# Altium PCB IO_Board.PcbDoc (part 1 of 2) (continued)
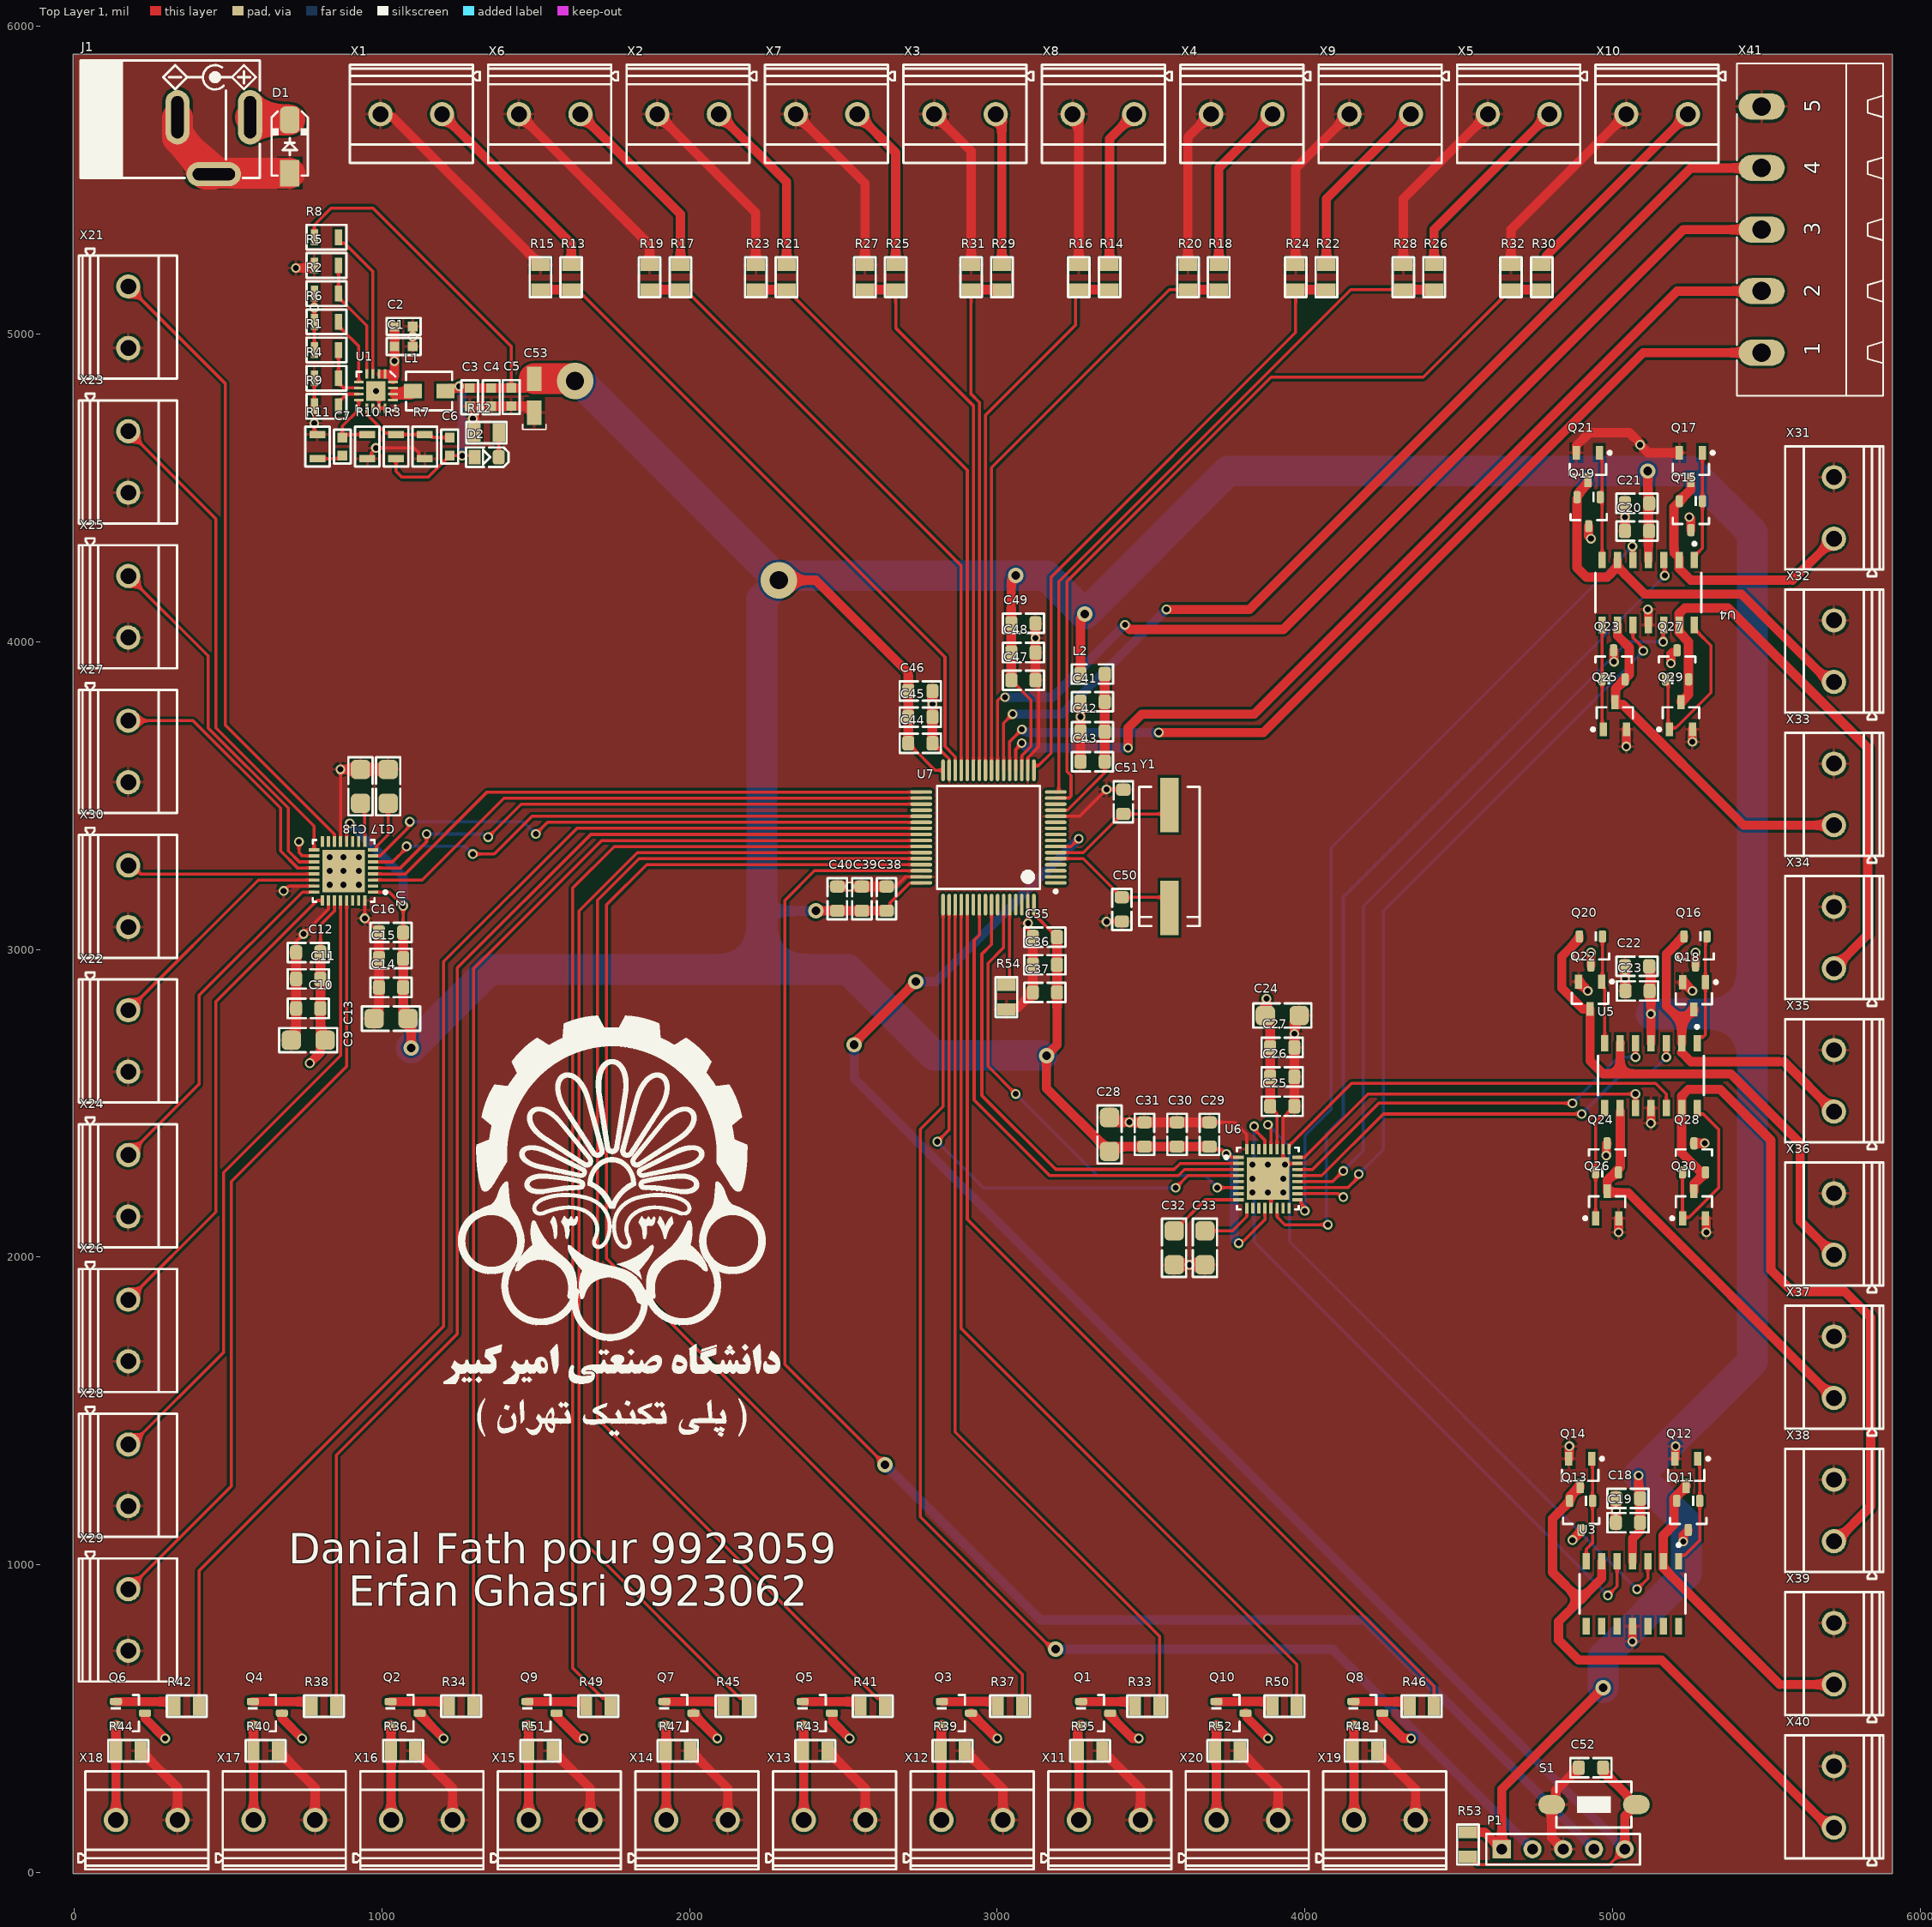
[diagram p0: Top Layer 1 view]
## Design rules (kind name [scope] priority, off if disabled: settings)
Clearance [All] p1: gap=8 ignorepadtopadclearanceinfootprint=TRUE
PlaneClearance [All] p1: clearance=20
PlaneConnect [All] p1: planeconnectstyle=Relief reliefexpansion=20 reliefentries=4 reliefconductorwidth=10 reliefairgap=10
PolygonConnect [All] p1: connectstyle=Relief reliefconductorwidth=10 reliefentries=4 polygonreliefangle="90 Angle" airgapwidth=10
RoutingVias [All] p1: holewidth=118.11 width=30 viastyle="Through Hole" minholewidth=15 minwidth=25 maxholewidth=78.74 maxwidth=50
SolderMaskExpansion [All] p1: expansion=4 istentingtop=FALSE
Width [All] p1: maxlimit=100 minlimit=10 preferedwidth=30
28 further rules are at their usual default settings.

## Classes and differential pairs
component class toFPGA: X41
component class Power: C1 C2 C3 C4 C5 C6 C7 C53 D1 D2 J1 L1 R1 R2 R3 R4 R5 R6 R7 R8 R9 R10 R11 R12 U1
component class Microcontroller: C36 C38 C40 C42 C44 C46 C48 C50 C52 L2 P1 R53 R54 S1 U7 Y1
component class Digital_Outputs: Q1 Q2 Q3 Q4 Q5 Q6 Q7 Q8 Q9 Q10 R33 R34 R35 R36 R37 R38 R39 R40 R41 R42 R43 R44 R45 R46 R47 R48 R49 R50 R51 R52 X11 X12 X13 X14 X15 X16 X17 X18 X19 X20
component class Digital_Inputs: R13 R14 R15 R16 R17 R18 R19 R20 R21 R22 R23 R24 R25 R26 R27 R28 R29 R30 R31 R32 X1 X2 X3 X4 X5 X6 X7 X8 X9 X10
component class Analog_Outputs: C18 C19 C20 C21 C22 C23 C24 C25 C26 C27 C28 C29 C30 C31 C32 C33 Q11 Q12 Q13 Q14 Q15 Q16 Q17 Q18 Q19 Q20 Q21 Q22 Q23 Q24 Q25 Q26 Q27 Q28 Q29 Q30 U3 U4 U5 U6 X31 X32 X33 X34 X35 X36 X37 X38 X39 X40
component class Analog_Inputs: C11 C13 C15 C17 C18 U2 X21 X22 X23 X24 X25 X26 X27 X28 X29 X30

## Components (designator, comment, footprint, x,y, rotation, side; value= is the part's Value field where it differs from the comment)
C1 "10u" C0603 1070,4960 r0 top value=10µF
C2 "10u" C0603 1070,5025 r0 top value=10µF
C3 "22u" C0603 1285,4795 r270 top
C4 "10u" C0603 1355,4795 r270 top value=10µF
C5 "10u" C0603 1420,4795.47 r270 top value=10µF
C6 "10u" C0603 1220,4634.49 r270 top value=10µF
C7 "10u" C0603 870.95,4634.49 r90 top value=10µF
C9 "Capacitor C SMD 1206" C1206 760,2705 r180 top value=10uf
C10 "Capacitor C SMD 0805" C0805 760,2808.08 r0 top value=4.7uf
C11 "Capacitor C SMD 0805" C0805 760,2904.04 r0 top value=100nf
C12 "Capacitor C SMD 0805" C0805 760,2990 r0 top value=10nf
C13 "Capacitor C SMD 1206" C1206 1029.37,2775 r180 top value=10uf
C14 "Capacitor C SMD 0805" C0805 1029.37,2876.42 r0 top value=4.7uf
C15 "Capacitor C SMD 0805" C0805 1029.37,2970.71 r0 top value=100nf
C16 "Capacitor C SMD 0805" C0805 1029.37,3055 r0 top value=10nf
C17 "Capacitor C SMD 1206" C1206 1020,3530 r270 top value=10uf
C18 "Capacitor C SMD 0805" C0805 5050.63,1215 r0 top value=4.7uf
C18 "Capacitor C SMD 1206" C1206 930,3530 r270 top value=10uf
C19 "Capacitor C SMD 0805" C0805 5050.31,1136.5 r0 top value=100nf
C20 "Capacitor C SMD 0805" C0805 5079.69,4360 r0 top value=4.7uf
C21 "Capacitor C SMD 0805" C0805 5080,4450 r0 top value=100nf
C22 "Capacitor C SMD 0805" C0805 5080,2945 r0 top value=4.7uf
C23 "Capacitor C SMD 0805" C0805 5081.44,2865 r0 top value=100nf
C24 "Capacitor C SMD 1206" C1206 3926.5,2785 r0 top value=10uf
C25 "Capacitor C SMD 0805" C0805 3926.5,2490 r180 top value=4.7uf
C26 "Capacitor C SMD 0805" C0805 3926.5,2585.71 r180 top value=100nf
C27 "Capacitor C SMD 0805" C0805 3926.5,2681.42 r180 top value=10nf
C28 "Capacitor C SMD 1206" C1206 3365,2398.5 r90 top value=10uf
C29 "Capacitor C SMD 0805" C0805 3690,2398.5 r270 top value=4.7uf
C30 "Capacitor C SMD 0805" C0805 3584.29,2398.5 r270 top value=100nf
C31 "Capacitor C SMD 0805" C0805 3478.58,2398.5 r270 top value=10nf
C32 "Capacitor C SMD 1206" C1206 3575,2029.88 r90 top value=10uf
C33 "Capacitor C SMD 1206" C1206 3675,2030 r90 top value=10uf
C35 "Capacitor C SMD 0805" C0805 3155,3040 r0 top value=4.7uf
C36 "Capacitor C SMD 0805" C0805 3155,2950 r0 top value=100nf
C37 "Capacitor C SMD 0805" C0805 3155,2860 r0 top value=10nf
C38 "Capacitor C SMD 0805" C0805 2640,3165 r270 top value=4.7uf
C39 "Capacitor C SMD 0805" C0805 2560,3165 r270 top value=100nf
C40 "Capacitor C SMD 0805" C0805 2480,3165 r270 top value=10nf
C41 "Capacitor C SMD 0805" C0805 3310,3805 r0 top value=4.7uf
C42 "Capacitor C SMD 0805" C0805 3310,3707.5 r0 top value=100nf
C43 "Capacitor C SMD 0805" C0805 3310,3610 r0 top value=10nf
C44 "Capacitor C SMD 0805" C0805 2750,3670 r180 top value=4.7uf
C45 "Capacitor C SMD 0805" C0805 2750,3755 r180 top value=100nf
C46 "Capacitor C SMD 0805" C0805 2750,3840 r180 top value=10nf
C47 "Capacitor C SMD 0805" C0805 3085,3875 r180 top value=4.7uf
C48 "Capacitor C SMD 0805" C0805 3085,3965 r180 top value=100nf
C49 "Capacitor C SMD 0805" C0805 3085,4060 r180 top value=10nf
C50 "Capacitor C SMD 0805" C0805 3405,3130 r90 top value=18pf
C51 "Capacitor C SMD 0805" C0805 3410,3480 r270 top value=18pf
C52 "Capacitor C SMD 0805" C0805 4930,340 r0 top value=100nf
C53 "Capacitor Tantalum SMD" "CAPP 1206 (3216X18L) Size A" 1495,4744.78 r90 top value=47uf
D1 "1N4007 SMD M7" D_SMA 700,5610 r90 top value=1N4007
D2 "LED SMD 0805" "LED SMD 0805 (Blue)" 1340,4600 r0 top
J1 "Power Jack" "POWER J1" 571.22,5705 r90 top
L1 "1u / 3.9A" IHLP_118MILX144MIL 1153.15,4815 r0 top
L2 "Inductor SMD NC 0805" L0805 3310,3895 r0 top value=1uH
P1 "Header, 5-Pin" "HDR 1X5" 4640,75 r0 top
Q1 "BC817 NPN" SOT-23 3320,517.4 r0 top value=BC817
Q2 "BC817 NPN" SOT-23 1075,517.4 r0 top value=BC817
Q3 "BC817 NPN" SOT-23 2867.24,517.4 r0 top value=BC817
Q4 "BC817 NPN" SOT-23 627.24,517.4 r0 top value=BC817
Q5 "BC817 NPN" SOT-23 2415,517.4 r0 top value=BC817
Q6 "BC817 NPN" SOT-23 182.24,517.4 r0 top value=BC817
Q7 "BC817 NPN" SOT-23 1965,517.4 r0 top value=BC817
Q8 "BC817 NPN" SOT-23 4205,517.4 r0 top value=BC817
Q9 "BC817 NPN" SOT-23 1520,517.4 r0 top value=BC817
Q10 "BC817 NPN" SOT-23 3760,517.4 r0 top value=BC817
Q11 "BC817 NPN" SOT-23 5246.44,1160 r270 top value=BC817
Q12 "BC807" SOT23_BEC_N 5240,1300 r270 top
Q13 "BC817 NPN" SOT-23 4898.27,1160 r270 top value=BC817
Q14 "BC807" SOT23_BEC_N 4895,1300 r270 top
Q15 "BC817 NPN" SOT-23 5255,4410 r270 top value=BC817
Q16 "BC817 NPN" SOT-23 5270,2995 r270 top value=BC817
Q17 "BC807" SOT23_BEC_N 5255,4570 r270 top
Q18 "BC807" SOT23_BEC_N 5265,2849.29 r270 top
Q19 "BC817 NPN" SOT-23 4922.6,4422.76 r270 top value=BC817
Q20 "BC817 NPN" SOT-23 4930,2995 r270 top value=BC817
Q21 "BC807" SOT23_BEC_N 4920,4570 r270 top
Q22 "BC807" SOT23_BEC_N 4927.4,2850.71 r270 top
Q23 "BC817 NPN" SOT-23 5003.56,3925 r90 top value=BC817
Q24 "BC817 NPN" SOT-23 4982.4,2322.24 r90 top value=BC817
Q25 "BC807" SOT23_BEC_N 5007.6,3759.29 r90 top
Q26 "BC807" SOT23_BEC_N 4982.6,2170 r90 top
Q27 "BC817 NPN" SOT-23 5210,3925 r90 top value=BC817
Q28 "BC817 NPN" SOT-23 5265,2322.24 r90 top value=BC817
Q29 "BC807" SOT23_BEC_N 5222.4,3759.29 r90 top
Q30 "BC807" SOT23_BEC_N 5265,2170 r90 top
R1 "0R" R0805_small 819.37,4948.33 r180 top
R2 "0R" R0805_small 819.37,5131.67 r180 top
R3 "0R" R0805_small 1045.54,4634.37 r270 top
R4 "0R" R0805_small 819.37,4856.67 r0 top
R5 "0R" R0805_small 819.37,5223.33 r0 top
R6 "0R" R0805_small 819.37,5040 r0 top
R7 "0R" R0805_small 1139.05,4634.37 r90 top
R8 "0R" R0805_small 819.37,5315 r180 top
R9 "0R" R0805_small 819.37,4765 r0 top
R10 "0R" R0805_small 952.02,4634.37 r90 top
R11 "0R" R0805_small 790,4634.37 r270 top
R12 "Resistor SMD 0805" SMD-0805-RES 1340,4680 r90 top value=10K
R13 "Resistor SMD 0805" SMD-0805-RES 1615,5185 r0 top value=10K
R14 "Resistor SMD 0805" SMD-0805-RES 3365,5185 r0 top value=10K
R15 "Resistor SMD 0805" SMD-0805-RES 1515,5185 r180 top value=4.7K
R16 "Resistor SMD 0805" SMD-0805-RES 3265,5185 r180 top value=4.7K
R17 "Resistor SMD 0805" SMD-0805-RES 1970,5185 r0 top value=10K
R18 "Resistor SMD 0805" SMD-0805-RES 3720,5185 r0 top value=10K
R19 "Resistor SMD 0805" SMD-0805-RES 1870,5185 r180 top value=4.7K
R20 "Resistor SMD 0805" SMD-0805-RES 3620,5185 r180 top value=4.7K
R21 "Resistor SMD 0805" SMD-0805-RES 2315,5185 r0 top value=10K
R22 "Resistor SMD 0805" SMD-0805-RES 4070,5185 r0 top value=10K
R23 "Resistor SMD 0805" SMD-0805-RES 2215,5185 r180 top value=4.7K
R24 "Resistor SMD 0805" SMD-0805-RES 3970,5185 r180 top value=4.7K
R25 "Resistor SMD 0805" SMD-0805-RES 2670,5185 r0 top value=10K
R26 "Resistor SMD 0805" SMD-0805-RES 4420,5185 r0 top value=10K
R27 "Resistor SMD 0805" SMD-0805-RES 2570,5185 r180 top value=4.7K
R28 "Resistor SMD 0805" SMD-0805-RES 4320,5185 r180 top value=4.7K
R29 "Resistor SMD 0805" SMD-0805-RES 3015,5185 r0 top value=10K
R30 "Resistor SMD 0805" SMD-0805-RES 4770,5185 r0 top value=10K
R31 "Resistor SMD 0805" SMD-0805-RES 2915,5185 r180 top value=4.7K
R32 "Resistor SMD 0805" SMD-0805-RES 4670,5185 r180 top value=4.7K
R33 "Resistor SMD 0805" SMD-0805-RES 3487.78,540 r270 top value=1K
R34 "Resistor SMD 0805" SMD-0805-RES 1257.22,540 r270 top value=1K
R35 "Resistor SMD 0805" SMD-0805-RES 3301.67,395 r90 top value=10K
R36 "Resistor SMD 0805" SMD-0805-RES 1068.33,395 r90 top value=10K
R37 "Resistor SMD 0805" SMD-0805-RES 3041.67,540 r270 top value=1K
R38 "Resistor SMD 0805" SMD-0805-RES 811.11,540 r270 top value=1K
R39 "Resistor SMD 0805" SMD-0805-RES 2855,395 r90 top value=10K
R40 "Resistor SMD 0805" SMD-0805-RES 621.67,395 r90 top value=10K
R41 "Resistor SMD 0805" SMD-0805-RES 2595.56,540 r270 top value=1K
R42 "Resistor SMD 0805" SMD-0805-RES 365,540 r270 top value=1K
R43 "Resistor SMD 0805" SMD-0805-RES 2408.33,395 r90 top value=10K
R44 "Resistor SMD 0805" SMD-0805-RES 175,395 r90 top value=10K
R45 "Resistor SMD 0805" SMD-0805-RES 2149.44,540 r270 top value=1K
R46 "Resistor SMD 0805" SMD-0805-RES 4380,540 r270 top value=1K
R47 "Resistor SMD 0805" SMD-0805-RES 1961.67,395 r90 top value=10K
R48 "Resistor SMD 0805" SMD-0805-RES 4195,395 r90 top value=10K
R49 "Resistor SMD 0805" SMD-0805-RES 1703.33,540 r270 top value=1K
R50 "Resistor SMD 0805" SMD-0805-RES 3933.89,540 r270 top value=1K
R51 "Resistor SMD 0805" SMD-0805-RES 1515,395 r90 top value=10K
R52 "Resistor SMD 0805" SMD-0805-RES 3748.33,395 r90 top value=10K
R53 "Resistor SMD 0805" SMD-0805-RES 4530,90 r180 top value=10K
R54 "Resistor SMD 0805" SMD-0805-RES 3030,2845 r0 top value=10K
S1 "Push SMD" SWPBS_SPST_6X3X2 4940,220 r0 top
U1 "ISL8024AIRTAJZ-T7A" 16-TQFN_3mmx3mm_V1.1 980,4815 r270 top
U2 "MAX11311GTJ+" FP-T3255-9-MFG 875,3255 r180 top
U3 "LM324DT" FP-SO-14-MFG 5065,905.32 r270 top
U4 "LM324DT" FP-SO-14-MFG 5116.44,4160 r270 top
U5 "LM324DT" FP-SO-14-MFG 5125.12,2590 r270 top
U6 "MAX11311GTJ+" FP-T3255-9-MFG 3880,2255 r0 top
U7 "STM32F103RCT6" STM-LQFP64_N 2971.5,3363.9 r180 top
X1 "Phoenix MKDSN 02" CON_MKDSN1,5/2-5,08 1095,5715 r180 top
X2 "Phoenix MKDSN 02" CON_MKDSN1,5/2-5,08 1995,5715 r180 top
X3 "Phoenix MKDSN 02" CON_MKDSN1,5/2-5,08 2895,5715 r180 top
X4 "Phoenix MKDSN 02" CON_MKDSN1,5/2-5,08 3795,5715 r180 top
X5 "Phoenix MKDSN 02" CON_MKDSN1,5/2-5,08 4695,5715 r180 top
X6 "Phoenix MKDSN 02" CON_MKDSN1,5/2-5,08 1545,5715 r180 top
X7 "Phoenix MKDSN 02" CON_MKDSN1,5/2-5,08 2445,5715 r180 top
X8 "Phoenix MKDSN 02" CON_MKDSN1,5/2-5,08 3345,5715 r180 top
X9 "Phoenix MKDSN 02" CON_MKDSN1,5/2-5,08 4245,5715 r180 top
X10 "Phoenix MKDSN 02" CON_MKDSN1,5/2-5,08 5145,5715 r180 top
X11 "Phoenix MKDSN 02" CON_MKDSN1,5/2-5,08 3365.55,170 r0 top
X12 "Phoenix MKDSN 02" CON_MKDSN1,5/2-5,08 2918.33,170 r0 top
X13 "Phoenix MKDSN 02" CON_MKDSN1,5/2-5,08 2471.11,170 r0 top
X14 "Phoenix MKDSN 02" CON_MKDSN1,5/2-5,08 2023.89,170 r0 top
X15 "Phoenix MKDSN 02" CON_MKDSN1,5/2-5,08 1576.67,170 r0 top
X16 "Phoenix MKDSN 02" CON_MKDSN1,5/2-5,08 1129.44,170 r0 top
X17 "Phoenix MKDSN 02" CON_MKDSN1,5/2-5,08 682.22,170 r0 top
X18 "Phoenix MKDSN 02" CON_MKDSN1,5/2-5,08 235,170 r0 top
X19 "Phoenix MKDSN 02" CON_MKDSN1,5/2-5,08 4260,170 r0 top
X20 "Phoenix MKDSN 02" CON_MKDSN1,5/2-5,08 3812.78,170 r0 top
X21 "Phoenix MKDSN 02" CON_MKDSN1,5/2-5,08 175,5055 r270 top
X22 "Phoenix MKDSN 02" CON_MKDSN1,5/2-5,08 175,2702.22 r270 top
X23 "Phoenix MKDSN 02" CON_MKDSN1,5/2-5,08 175,4584.44 r270 top
X24 "Phoenix MKDSN 02" CON_MKDSN1,5/2-5,08 175,2231.67 r270 top
X25 "Phoenix MKDSN 02" CON_MKDSN1,5/2-5,08 175,4113.89 r270 top
X26 "Phoenix MKDSN 02" CON_MKDSN1,5/2-5,08 175,1761.11 r270 top
X27 "Phoenix MKDSN 02" CON_MKDSN1,5/2-5,08 175,3643.33 r270 top
X28 "Phoenix MKDSN 02" CON_MKDSN1,5/2-5,08 175,1290.56 r270 top
X29 "Phoenix MKDSN 02" CON_MKDSN1,5/2-5,08 175,820 r270 top
X30 "Phoenix MKDSN 02" CON_MKDSN1,5/2-5,08 175,3172.78 r270 top
X31 "Phoenix MKDSN 02" CON_MKDSN1,5/2-5,08 5720,4435 r90 top
X32 "Phoenix MKDSN 02" CON_MKDSN1,5/2-5,08 5720,3969.44 r90 top
X33 "Phoenix MKDSN 02" CON_MKDSN1,5/2-5,08 5720,3503.89 r90 top
X34 "Phoenix MKDSN 02" CON_MKDSN1,5/2-5,08 5720,3038.33 r90 top
X35 "Phoenix MKDSN 02" CON_MKDSN1,5/2-5,08 5720,2572.78 r90 top
X36 "Phoenix MKDSN 02" CON_MKDSN1,5/2-5,08 5720,2107.22 r90 top
X37 "Phoenix MKDSN 02" CON_MKDSN1,5/2-5,08 5720,1641.67 r90 top
X38 "Phoenix MKDSN 02" CON_MKDSN1,5/2-5,08 5720,1176.11 r90 top
X39 "Phoenix MKDSN 02" CON_MKDSN1,5/2-5,08 5720,710.56 r90 top
X40 "Phoenix MKDSN 02" CON_MKDSN1,5/2-5,08 5720,245 r90 top
X41 "Phoenix MSTBA 05" CON_MSTBA05 5485,5340 r90 top
Y1 "8.000MHz SMD" "Crystal SMD" 3560,3280 r90 top value="12 MHz"

## Footprints (in the part's own frame and the unit in brackets; to place one, negate y for a bottom-side part, rotate by r counter-clockwise, add the part's x,y. Pads: shape width x height; smd on the part's side, far side on the other; paste and mask are expansions set on the pad)
16-TQFN_3mmx3mm_V1.1 [mm]
  rect 0.78x0.23 smd mask+0.03: 1(-1.41,0.75) 2(-1.41,0.25) 3(-1.41,-0.25) 4(-1.41,-0.75) 9(1.41,-0.75) 10(1.41,-0.25) 11(1.41,0.25) 12(1.41,0.75)
  rect 0.23x0.78 smd mask+0.03: 5(-0.75,-1.41) 6(-0.25,-1.41) 7(0.25,-1.41) 8(0.75,-1.41) 13(0.75,1.41) 14(0.25,1.41) 15(-0.25,1.41) 16(-0.75,1.41)
  rect 1.6x1.6 smd mask+0.03: 17(0,0)
  silkscreen extent -1.6,-1.6 1.6,1.6, body extent -1.5,-1.5 1.5,1.5, height 0.9
C0603 [mm]
  rect 0.8x0.8 smd: 1(-0.75,0) 2(0.75,0)
  silkscreen extent -1.4,-0.7 1.4,0.7, body extent -0.8,-0.42 0.8,0.44, height 0.95
C0805 [mm] "CHIP Capacitor, 2.0X1.3mm, 0805 www.smartw.ir"
  rrect50% 1x1.2 smd mask+0.075: 1(-1,0) 2(1,0)
  Top Layer 1 pour cut-out: -0.5,0.8 0.5,0.8 0.5,-0.8 -0.5,-0.8
  silkscreen extent -1.7,-0.8 1.7,0.8, body extent -1,-0.63 1,0.63, height 1
C1206 [mm] "CHIP Capacitor, 3.2X1.6mm, 1206 www.smartw.ir"
  rrect50% 1.6x1.6 smd mask+0.075: 1(-1.4,0) 2(1.4,0)
  Top Layer 1 pour cut-out: -0.8,1 -0.8,-1 0.8,-1 0.8,1
  silkscreen extent -2.4,-1 2.4,1, body extent -1.6,-0.8 1.6,0.8, height 1
"CAPP 1206 (3216X18L) Size A" [mil] "Chip Capacitor, 2-Leads, Body 3.2x1.6mm, IPC High Density, chip Tantalum (www.smartw.ir)"
  rect 78.7x47.2 smd: 1(0,0) 2(110.22,0)
  silkscreen extent -54,-38 -39,38, body extent -17,-36 126,35, height 71
CON_MKDSN1,5/2-5,08 [mm] "(www.Smartw.ir)"
  round 2 hole 1.3: 1(-2.54,0) 2(2.54,0)
  silkscreen extent -5.65,-4.07 5.08,4.03, body extent -5.64,-4.05 5.09,4.05, height 10.03
CON_MSTBA05 [mil] "(www.Smartw.ir)"
  oval 85x150 hole 60: 1(-400,0) 2(-200,0) 3(0,0) 4(200,0) 5(400,0)
  silkscreen extent -540,-395 540,80, body extent -540,-392 539,80, height 340
"Crystal SMD" [mm] "(www.Smartw.ir)"
  rect 4.5x1.5 smd: 1(-3.683,0) 2(4.817,0)
  silkscreen extent -5.18,-2.5 6.32,2.5, body extent -5.64,-2.25 6.66,2.25, height 5.18
D_SMA [mm] "SMA Molded Diode, 2-Leads, Body 4.3x2.7mm, SOD-128 (www.Smartw.ir)"
  rect 2.2x1.6 smd: 1(-2.2,0)
  rrect50% 2.2x1.6 smd: 2(2.2,0)
  silkscreen extent -2.4,-1.5 2.9,1.5, body extent -2.75,-1.4 2.75,1.4, height 2.6
FP-SO-14-MFG [mm]
  rect 1.35x0.6 smd paste+0 mask+0: 1(-2.675,3.81) 2(-2.675,2.54) 3(-2.675,1.27) 4(-2.675,0) 5(-2.675,-1.27) 6(-2.675,-2.54) 7(-2.675,-3.81) 8(2.675,-3.81) 9(2.675,-2.54) 10(2.675,-1.27) 11(2.675,0) 12(2.675,1.27) 13(2.675,2.54) 14(2.675,3.81)
  silkscreen extent -4.15,-4.38 1.63,4.38, body extent -3.45,-4.47 3.45,4.47, height 0.25
FP-T3255-9-MFG [mm]
  rect 0.86x0.27 smd paste+0 mask+0: 1(-2.435,1.75) 2(-2.435,1.25) 3(-2.435,0.75) 4(-2.435,0.25) 5(-2.435,-0.25) 6(-2.435,-0.75) 7(-2.435,-1.25) 8(-2.435,-1.75) 17(2.435,-1.75) 18(2.435,-1.25) 19(2.435,-0.75) 20(2.435,-0.25) 21(2.435,0.25) 22(2.435,0.75) 23(2.435,1.25) 24(2.435,1.75)
  rect 0.27x0.86 smd paste+0 mask+0: 9(-1.75,-2.435) 10(-1.25,-2.435) 11(-0.75,-2.435) 12(-0.25,-2.435) 13(0.25,-2.435) 14(0.75,-2.435) 15(1.25,-2.435) 16(1.75,-2.435) 25(1.75,2.435) 26(1.25,2.435) 27(0.75,2.435) 28(0.25,2.435) 29(-0.25,2.435) 30(-0.75,2.435) 31(-1.25,2.435) 32(-1.75,2.435)
  rect 3.5x3.5 smd paste+0 mask+0: 33(0,0)
  silkscreen extent -3.58,-2.55 2.55,2.55, body extent -2.5,-2.5 2.5,2.5, height 0.8
"HDR 1X5" [mm] "Connector; Header; 5 Position"
  rect 1.5x1.5 hole 0.9: 1(0,0)
  round 1.5 hole 0.9: 2(2.54,0) 3(5.08,0) 4(7.62,0) 5(10.16,0)
  silkscreen extent -1.27,-1.27 11.43,1.27, body extent -1.26,-1.27 11.43,1.26, height 8.51
IHLP_118MILX144MIL [mm]
  rect 1.5x1.2 smd: 1(-1.35,0) 2(1.35,0)
  silkscreen extent -1.9,-1.6 1.9,1.6, body extent -1.9,-1.5 1.9,1.5, height 1.5
L0805 [mm] "INDUCTOR, FERRITE BEAD, 0805, 2.0X1.3mm (www.Smartw.ir)"
  rrect50% 1x1.2 smd mask+0.075: 1(-1,0) 2(1,0)
  Top Layer 1 pour cut-out: -0.5,0.8 0.5,0.8 0.5,-0.8 -0.5,-0.8
  silkscreen extent -1.7,-0.8 1.7,0.8, body extent -1,-0.6 1,0.6, height 0.95
"LED SMD 0805 (Blue)" [mm] "(www.Smartw.ir)"
  rect 1x1.2 smd mask+0.075: 1(-1,0)
  rrect50% 1x1.2 smd mask+0.075: 2(1,0)
  Top Layer 1 pour cut-out: -0.5,0.8 0.5,0.8 0.5,-0.8 -0.5,-0.8
  silkscreen extent -1.7,-0.8 1.8,0.8, body extent -1,-0.63 1,0.63, height 0.7
"POWER J1" [mm] "DC POWER JACK, Power Jack KLDX-0202"
  oval 4.5x2 hole 1 slot 3.5 at 0 deg: 1(0,0) 2(0,6)
  oval 2x4.5 hole 1 slot 3.5 at 90 deg: 3(-4.7,3)
  silkscreen extent -5,-0.8 4.7,14, body extent -4.9,-0.65 4.5,13.85, height 10.8
R0805_small [mm]
  rect 0.6x1.3 smd paste-0.3 mask-0.3: 1(-1,0) 2(1,0)
  silkscreen extent -1.65,-1.02 1.65,1.02, body extent -1,-0.6 1,0.6, height 0.7
SMD-0805-RES [mil]
  rect 60x40 smd: 1(0,40) 2(0,-40)
  silkscreen extent -35,-65 35,65, body extent -24,-39 26,39, height 31
SOT23_BEC_N [mm] "SOT23, 3-Leads, Body 2.9x1.3mm, Pitch 0.95mm, Lead Span 2.4mm, IPC Medium Density (www.Smartw.ir)"
  rect 1.15x0.6 smd: 1(-1.125,0.95) 2(-1.125,-0.95) 3(1.125,0)
  silkscreen extent -1.25,-1.5 0.7,1.93, body extent -1.22,-1.45 1.08,1.45, height 1
SOT-23 [mm] "SOT23, 3-Leads, Body 2.9x1.3mm, Pitch 0.95mm, Lead Span 2.5mm, IPC Medium Density (www.Smartw.ir)"
  rrect50% 1x0.6 smd: 1(-1.2,0.95) 2(-1.2,-0.95) 3(1.2,0)
  silkscreen extent -1.62,-1.5 0.7,1.5, body extent -1.16,-1.45 1.21,1.45, height 1
STM-LQFP64_N [mm] "Thin QFP, 64-Leads, Body 10x10mm, Pitch 0.5mm, IPC Medium Density (www.Smartw.ir)"
  oval 1.8x0.3 smd: 1(-5.55,3.75) 2(-5.55,3.25) 3(-5.55,2.75) 4(-5.55,2.25) 5(-5.55,1.75) 6(-5.55,1.25) 7(-5.55,0.75) 8(-5.55,0.25) 9(-5.55,-0.25) 10(-5.55,-0.75) 11(-5.55,-1.25) 12(-5.55,-1.75) 13(-5.55,-2.25) 14(-5.55,-2.75) 15(-5.55,-3.25) 16(-5.55,-3.75) 33(5.55,-3.75) 34(5.55,-3.25) 35(5.55,-2.75) 36(5.55,-2.25) 37(5.55,-1.75) 38(5.55,-1.25) 39(5.55,-0.75) 40(5.55,-0.25) 41(5.55,0.25) 42(5.55,0.75) 43(5.55,1.25) 44(5.55,1.75) 45(5.55,2.25) 46(5.55,2.75) 47(5.55,3.25) 48(5.55,3.75)
  oval 0.3x1.8 smd: 17(-3.75,-5.55) 18(-3.25,-5.55) 19(-2.75,-5.55) 20(-2.25,-5.55) 21(-1.75,-5.55) 22(-1.25,-5.55) 23(-0.75,-5.55) 24(-0.25,-5.55) 25(0.25,-5.55) 26(0.75,-5.55) 27(1.25,-5.55) 28(1.75,-5.55) 29(2.25,-5.55) 30(2.75,-5.55) 31(3.25,-5.55) 32(3.75,-5.55) 49(3.75,5.55) 50(3.25,5.55) 51(2.75,5.55) 52(2.25,5.55) 53(1.75,5.55) 54(1.25,5.55) 55(0.75,5.55) 56(0.25,5.55) 57(-0.25,5.55) 58(-0.75,5.55) 59(-1.25,5.55) 60(-1.75,5.55) 61(-2.25,5.55) 62(-2.75,5.55) 63(-3.25,5.55) 64(-3.75,5.55)
  silkscreen extent -5.68,-4.25 4.25,4.57, body extent -6,-6 6,6, height 1.6
SWPBS_SPST_6X3X2 [mm] "SWITCH, PUSHBUTTON, SMD, SPST, 6X3.5X2.5mm, RS-282G05A3, SKQYPA, 50000 Cycles"
  oval 2.2x1.6 smd mask+0.1: 1(-3.5,0) 2(3.5,0)
  silkscreen extent -3.1,-1.9 3.1,1.9, body extent -3.4,-1.86 3.4,1.86, height 2.5

## Part data
C1 C2 C4 C5 C6 C7: library part C1608X5R0J106M, "CAP CER 10UF 6.3V X5R 20% 0603", Capacitance=10µF, Manufacturer="TDK Corporation", Operating Temperature="-55°C ~ 85°C", Package / Case="0603 (1608 Metric)", Ratings=-, Supplier Part Number=445-4112-1-ND, Temperature Coefficient=X5R, Tolerance=±20%, Voltage - Rated=6.3V, .Checked PCB=used, .Checked SCH=used, Applications="General Purpose", Category=Capacitors, ComponentLink1Description=http://www.tdk.com/pdf/general_B11.pdf, ComponentLink1URL=http://www.tdk.com/pdf/general_B11.pdf, Features="Low ESR", Height - Seated (Max)=-, Lead Spacing=-, Lead Style=-, Manufacturer Part Number=C1608X5R0J106M, Mounting Type="Surface Mount, MLCC", Packaging="Cut Tape (CT)", Price 1k [$]=0.08580, Pricing 1="1=0.46, 10=0.363, 100=0.1898, 250=0.14024, 500=0.1089, 1000=0.0858 (USD)", RoHS="RoHS Compliant", Size / Dimension="0.063\" L x 0.031\" W (1.60mm x 0.80mm)", Stock 1=48157, Supplier=Digikey, Supplier 1=Digi-Key, Supplier Part Number 1=445-4112-1-ND, Thickness (Max)="0.037\" (0.95mm)"
C3: library part C1608X5R0J226M080AC, "CAP CER 22UF 6.3V 20% X5R 0603", Capacitance=22µF, Manufacturer="TDK Corporation", Operating Temperature="-55°C ~ 85°C", Package / Case="0603 (1608 Metric)", Ratings=-, Supplier Part Number 1=445-8028-1-ND, Temperature Coefficient=X5R, Tolerance=±20%, Voltage - Rated=6.3V, .Checked PCB=MM, .Checked SCH=MM, .Creator=MM, Applications="General Purpose", Category=Capacitors, ComponentLink1Description=http://product.tdk.com/en/catalog/datasheets/mlcc_commercial_general_en.pdf, ComponentLink1URL=http://product.tdk.com/en/catalog/datasheets/mlcc_commercial_general_en.pdf, Features=-, Height - Seated (Max)=-, Lead Spacing=-, Lead Style=-, Manufacturer Part Number=C1608X5R0J226M080AC, Mounting Type="Surface Mount, MLCC", Packaging="Cut Tape (CT)", Pricing 1="1=0.39, 10=0.343, 100=0.1714, 250=0.13708, 500=0.12484, 1000=0.1104 (USD)", RoHS="RoHS Compliant", Size / Dimension="0.063\" L x 0.031\" W (1.60mm x 0.80mm)", Stock 1=593047, Supplier 1=Digi-Key, Thickness (Max)="0.039\" (1.00mm)"
D1: "DIODE, GENERAL PURPOSE, 1000V/1A", ComponentLink1Description="Website Smart World", ComponentLink1URL=https://www.smartw.ir/, ComponentLink2Description=Telegram, ComponentLink2URL=https://t.me/altium_smartw, ComponentLink3Description=Instagram, ComponentLink3URL=https://Instagram.com/smartgw.ir, DatasheetVersion=2021
L1: library part IHLP1212AEER1R0M11, "FIXED IND 1UH 3.9A 33 MOHM SMD", Current - Saturation=5.3A, Current Rating=3.9A, DC Resistance (DCR)="33 mOhm Max", Frequency - Self Resonant=-, Frequency - Test=100kHz, Inductance=1µH, Manufacturer="Vishay Dale", Operating Temperature="-55°C ~ 125°C", Package / Case=Nonstandard, Supplier Part Number 1=541-1327-1-ND, Tolerance=±20%, .Checked PCB=MM, .Checked SCH=MM, .Creator=MM, Category="Inductors, Coils, Chokes", ComponentLink1Description=http://www.vishay.com/docs/34300/lp12ae11.pdf, ComponentLink1URL=http://www.vishay.com/docs/34300/lp12ae11.pdf, Height - Seated (Max)="0.047\" (1.20mm)", Manufacturer Part Number=IHLP1212AEER1R0M11, Material - Core=-, Mounting Type="Surface Mount", Packaging="Cut Tape (CT)", Pricing 1="1=1.44, 10=1.35, 100=1.026, 500=0.828, 1000=0.756 (USD)", Q @ Freq=-, RoHS="RoHS Compliant", Shielding=Shielded, Size / Dimension="0.144\" L x 0.118\" W (3.65mm x 3.00mm)", Stock 1=3480, Supplier 1=Digi-Key, Supplier Device Package=-, Type=Molded
P1: library part "Header 5", "PROGRAMER", ComponentLinkp-URL=https://www.smartw.ir/, DatasheetVersion=2020
Q1 Q2 Q3 Q4 Q5 Q6 Q7 Q8 Q9 Q10 Q11 Q13 Q15 Q16 Q19 Q20 Q23 Q24 Q27 Q28: "BJT, NPN, 45v, 0.5A, SMD, SOT23", ComponentLink1Description="Website Smart World", ComponentLink1URL=https://www.smartw.ir/, ComponentLink2Description=Telegram, ComponentLink2URL=https://t.me/altium_smartw, ComponentLink3Description=Instagram, ComponentLink3URL=https://Instagram.com/smartgw.ir, DatasheetVersion=2021
Q12 Q14 Q17 Q18 Q21 Q22 Q25 Q26 Q29 Q30: library part PNP_BCE, "PNP Bipolar Transistor", ComponentLink1Description="Website Smart World", ComponentLink1URL=https://www.smartw.ir/, ComponentLink2Description=Telegram, ComponentLink2URL=https://t.me/altium_smartw, ComponentLink3Description=Instagram, ComponentLink3URL=https://Instagram.com/smartgw.ir, DatasheetVersion=2021
R1 R2 R3 R4 R5 R6 R7 R8 R9 R10 R11: library part RC0805JR-070RL_small, "RES 0.0 OHM 1/8W 0805 SMD", Manufacturer=Yageo, Manufacturer Part Number=RC0805JR-070RL, Package / Case="0805 (2012 Metric)", Power (Watts)="0.125W, 1/8W", Resistance (Ohms)=0.0, Supplier Part Number=311-0.0ARCT-ND, Temperature Coefficient=-, Tolerance=Jumper, .Checked PCB=MM, .Checked SCH=MM, .Creator=MM, Category=Resistors, ComponentLink1Description=http://www.yageo.com/documents/recent/PYu-RC0805_51_RoHS_L_4.pdf, ComponentLink1URL=http://www.yageo.com/documents/recent/PYu-RC0805_51_RoHS_L_4.pdf, Composition="Thick Film", Features=-, Height="0.024\" (0.60mm)", Number of Terminations=2, Packaging="Cut Tape (CT)", Price 1k [$]=0.01479, Pricing 1="10=0.017, 50=0.0126, 100=0.0096, 250=0.00716, 500=0.00528, 1000=0.00352 (USD)", RoHS="RoHS Compliant", Size / Dimension="0.079\" L x 0.049\" W (2.00mm x 1.25mm)", Stock 1=933202, Supplier=Digikey, Supplier 1=Digi-Key, Supplier Part Number 1=311-0.0ARCT-ND
U1: "IC REG BUCK SYNC ADJ 4A 16TQFN", Current - Output=4A, Frequency - Switching="490kHz ~ 4.2MHz", Manufacturer=Intersil, Operating Temperature="-40°C ~ 85°C", Package / Case="16-WFQFN Exposed Pad", Supplier Device Package="16-TQFN (3x3)", Supplier Part Number 1=ISL8024AIRTAJZ-T7ACT-ND, Voltage - Input="2.7 V ~ 5.5 V", Voltage - Output="0.6 V ~ 5.5 V", .Checked PCB=MM, .Checked SCH=MM, .Creator=MM, Category="Integrated Circuits (ICs)", ComponentLink1Description=http://www.intersil.com/content/dam/Intersil/documents/fn78/fn7812.pdf, ComponentLink1URL=http://www.intersil.com/content/dam/Intersil/documents/fn78/fn7812.pdf, Manufacturer Part Number=ISL8024AIRTAJZ-T7A, Mounting Type="Surface Mount", Number of Outputs=1, Output Type=Adjustable, Packaging="Cut Tape (CT)", Pricing 1="1=4.61, 25=3.63, 100=3.08 (USD)", RoHS="RoHS Compliant", Stock 1=440, Supplier 1=Digi-Key, Synchronous Rectifier=Yes, Type="Step-Down (Buck)"
U2 U6: library part CMP-05663-000001-1, "IC ADC 12BIT 400K 32TQFN", Max Operating Temperature=105°C, Max Supply Voltage=4.75V, Min Operating Temperature=-40°C, Min Supply Voltage=5.25V, Interface=SPI, Mount="Surface Mount", Number of Bits=12, Number Of Channels=4, Number of Pins=32, Packaging=Rail/Tube, Resolution=12b, RoHS Compliant=Yes, Sampling Rate=400000S/s, Series=PIXI™, Supply Type=Analog
U3 U4 U5: library part CMP-12131-000005-1, "IC OPAMP GP 4 CIRCUIT 14SO", Input Bias Current=0.02uA, Input Offset Voltage=2mV, Manufacturer=STMicroelectronics, Max Dual Supply Voltage=15V, Max Junction Temp=+150°C, Max Supply Voltage=30V, Min Dual Supply Voltage=1.5V, Min Supply Voltage=3V, Nominal Supply Current=0.7-1.5mA, Output Current Per Channel=20-50mA, Package=SO-14, Temperature="0°C to +70°C", Temperature Range High=+70°C, Temperature Range Low=0°C, Voltage Gain=100dB, Automotive=No, Bandwidth=1.3MHz, Category=IC, ComponentLink2Description=Datasheet, ComponentLink2URL=https://www.st.com/content/ccc/resource/technical/document/datasheet/bd/fc/46/43/26/8f/40/7f/CD00001046.pdf/files/CD00001046.pdf/jcr:content/translations/en.CD00001046.pdf, Device Class L1="Integrated Circuits (ICs)", Device Class L2="Linear ICs", Device Class L3="Amplifiers - Op Amps", Digikey Description="IC OPAMP GP 4 CIRCUIT 14SO", Footprint Url=https://www.st.com/content/ccc/resource/technical/document/datasheet/group3/10/8a/e6/12/f8/e8/49/ce/DM00366438/files/DM00366438.pdf/jcr:content/translations/en.DM00366438.pdf, Gain Bandwidth=1.3MHz, Height=1.75mm, Lead Free=Yes, Manufacturer Part Number=LM324DT, Mouser Description="LM324 Series 32 V 1.3 MHz Low Power Quad Operational Amplifier - SOIC-14", Number Of Channels=4, Octopart=https://octopart.com/lm324dt-stmicroelectronics-39579146, RoHS=TRUE, Standoff Height=0.1mm
U7: "ARM Cortex-M3 32-bit MCU, 256 KB Flash, 48 KB Internal RAM, 51 I/Os, 64-pin LQFP, -40 to 85 degC, Tray", ComponentLink1Description="Website Smart World", ComponentLink1URL=https://www.smartw.ir/
Y1: library part XTAL_Crystal, "XTAL Crystal", ComponentLink1Description=Datasheet, ComponentLink2Description=Reference, Design Date=2017-1-3, Designer="ABBAS BASEREH", Mounting Technology="Surface Mount\Through-Hole", Status=Unreleased
C9 C10 C11 C12 C13 C14 C15 C16 C17 C18 C18 C19 C20 C21 C22 C23 C24 C25 C26 C27 C28 C29 C30 C31 C32 C33 C35 C36 C37 C38 C39 C40 C41 C42 C43 C44 C45 C46 C47 C48 C49 C50 C51 C52 C53 D2 L2 R12 R13 R14 R15 R16 R17 R18 R19 R20 R21 R22 R23 R24 R25 R26 R27 R28 R29 R30 R31 R32 R33 R34 R35 R36 R37 R38 R39 R40 R41 R42 R43 R44 R45 R46 R47 R48 R49 R50 R51 R52 R53 R54 S1 X1 X2 X3 X4 X5 X6 X7 X8 X9 X10 X11 X12 X13 X14 X15 X16 X17 X18 X19 X20 X21 X22 X23 X24 X25 X26 X27 X28 X29 X30 X31 X32 X33 X34 X35 X36 X37 X38 X39 X40 X41: ComponentLink1Description="Website Smart World", ComponentLink1URL=https://www.smartw.ir/, ComponentLink2Description=Telegram, ComponentLink2URL=https://t.me/altium_smartw, ComponentLink3Description=Instagram, ComponentLink3URL=https://Instagram.com/smartgw.ir, DatasheetVersion=2021
J1: ComponentLink1Description="Website Smart World", ComponentLink1URL=https://www.smartw.ir/, ComponentLink2Description=Telegram, ComponentLink2URL=https://t.me/altium_smartw, ComponentLink3Description=Instagram, ComponentLink3URL=https://Instagram.com/smartgw.irm/smartgw.ir, DatasheetVersion=2021

## Via types
v1: diameter 31.5, hole 19.68, Top Layer 1 to GND, 52 vias
v2: diameter 31.5, hole 19.68, Top Layer 1 to Bottom Layer 1, 44 vias
v3: diameter 31.5, hole 19.68, Top Layer 1 to 10V, 26 vias
v4: diameter 50, hole 28, Top Layer 1 to Bottom Layer 1, 11 vias
v5: diameter 118.11, hole 59.06, Top Layer 1 to Bottom Layer 1, 2 vias

## Nets (pads, with @x,y where several pads share a name; then routed paths per layer and width w, separated by ;. In a path a pad name is that pad's centre, name@x,y a point inside that pad or via, vN(x,y) a via of type N, cw(c..) or ccw(c..) an arc to the next point about the centre after c; other vN are vias at no path point)
3.3V: C3.1 C4.1 C5.1 C6.2 C13.1 C14.2 C15.2 C16.2 C18.2@5090,1215 C19.2 C20.2 C21.2 C22.2 C23.2 C28.1 C29.2 C30.2 C31.2 C35.2 C36.2 C37.2 C38.2 C39.2 C40.2 C44.2 C45.2 C46.2 C47.2 C48.2 C49.2 C53.2 D2.1 L1.2 L2.1 P1.1 R3.2 R8.2 R53.2 U2.1 U2.12 U3.4 U4.4 U5.4 U6.1 U6.12 U7.19 U7.32 U7.48 U7.64 | length 21204
  Top Layer 1 w10: R8.2@780,5315 780,5355 835,5410 970,5410 1420,4960 C5.1@1420,4825 ; U2.12@884.84,3350.87 884.84,3394.03 895,3404.18 v2(895,3410) ; U2.1@970.87,3186.1 1023.9,3186.1 v2(1068.74,3141.26) C16.2@1068.74,3055 ; R3.2@1045.54,4595 1045.54,4554.46 1065,4535 1150.04,4535 C6.2@1220,4604.96 1295.67,4604.96 D2.1@1300.63,4600 ; C38.2@2640,3125.63 2652.19,3137.82 2652.19,3152.19 2715.91,3215.91 2752.65,3215.91 U7.48@2752.99,3216.26 ; C44.2@2710.63,3670 2710.63,3668.68 2724.95,3654.37 2726.26,3654.37 2798.23,3582.4 U7.32@2823.86,3582.4 ; C47.2@3045.63,3875 3045.63,3873.68 3062.94,3856.38 3064.25,3856.38 3110,3810.63 3110,3660 3079.76,3629.76 U7.19@3079.76,3582.4 ; U7.64@3119.13,3145.39 3119.13,3115.38 3120.04,3114.47 3120.04,3114.33 3178.74,3055.63 3180.05,3055.63 C35.2@3194.37,3041.32 ; C29.2@3690,2359.13 3699.13,2350 3728.39,2350 3743.39,2335 v2(3745,2335) ; v2@3750.82,2335 3761.6,2324.21 3783.82,2324.21 U6.1@3784.13,2323.9 ; v2(3785,2045) 3790.82,2045 3797.97,2052.15 3801.33,2052.15 3870.16,2120.97 U6.12@3870.16,2159.13
  Top Layer 1 w30: C16.2@1068.74,3055 C15.2@1068.74,2970.71 C14.2@1068.74,2876.42 1068.74,2790.75 C13.1@1084.49,2775 1095,2764.49 v4(1095,2680) ; L1.2@1206.3,4815 1214.92,4823.62 1237.02,4823.62 1238.4,4825 C5.1@1420,4825 1465,4825 ; v5(2290,4200) 2410,4200 2710.63,3899.37 C46.2@2710.63,3840 C45.2@2710.63,3755 C44.2@2710.63,3670 ; v4(2410,3125) 2410.63,3125.63 C40.2@2480,3125.63 C39.2@2560,3125.63 C38.2@2640,3125.63 ; C47.2@3045.63,3875 C48.2@3045.63,3965 C49.2@3045.63,4060 3045.63,4200.63 v4(3060,4215) ; C35.2@3194.37,3041.32 C35.2@3194.37,3040 C36.2@3194.37,2950 C37.2@3194.37,2860 3194.37,2689.37 v4(3160,2655) 3160,2548.39 C28.1@3365,2343.39 3380.75,2359.13 C31.2@3478.58,2359.13 C30.2@3584.29,2359.13 C29.2@3690,2359.13 ; L2.1@3270.63,3895 3270.63,4075.63 v4(3285,4090) ; R53.2@4530,130 4585,130 P1.1@4640,75 4640,270 v4(4970,600) ; U3.4@5065,1010.63 5065,1085 5090,1110 C18.2@5090,1215 5085.31,1219.69 5085.31,1232.99 5085,1233.31 v2(5085,1290) ; v4(5115,4555) 5115,4448.51 5116.44,4447.07 U4.4@5116.44,4265.31 ; C22.2@5119.37,2945 5119.37,2941.06 5125.12,2935.32 U5.4@5125.12,2695.32
  Top Layer 1 w100: C53.2@1495,4855 1607.19,4855 1611.23,4850.97 1624.03,4850.97 v5(1627.5,4847.5)
  Bottom Layer 1 w30: v2(895,3410) 1068.74,3236.26 v2(1068.74,3141.26) ; v2(1250.79,4830.81) 1250.79,4830.4 1260,4821.19 v2(1260,4605) ; 2235,3125 v4(2410,3125) ; v5(2290,4200) v5@2305,4215 ; v2(3745,2335) 3770,2310 3770,2060.4 3785,2045.4 v2(3785,2045)
  Bottom Layer 1 w100: v4(1095,2680) 1350,2935 2235,2935 ; v5@1635,4855 v5(2290,4200) 2290,4195.1 2235,4140.1 2235,3125 2235,2935 ; v5@2305,4215 v4(3060,4215) 3160,4215 v4(3285,4090) 3750,4555 v4(5115,4555) 5255,4555 5455,4355 5455,2790 ; v4@3145,2655 2795,2655 2515,2935 2235,2935 ; v4(4970,600) 4970,700 5240,970 5240,1135 v2(5085,1290) 5455,1660 5455,2790 ; v2(5125,2790) 5455,2790
10V: C1.1 C2.1 C9.1 C10.2 C11.2 C12.2 C24.1 C25.2 C26.2 C27.2 D1.2 J1.1 Q1.3 Q2.3 Q3.3 Q4.3 Q5.3 Q6.3 Q7.3 Q8.3 Q9.3 Q10.3 Q11.3 Q13.3 Q15.3 Q16.3 Q19.3 Q20.3 Q23.3 Q24.3 Q27.3 Q28.3 R1.2 R2.2 R6.1 U1.1 U1.2 U1.16 U2.18 U2.27 U6.18 U6.27 | length 3390.8
  Top Layer 1 w10: v3(730,3350) 730,3315 740.79,3304.21 U2.18@779.13,3304.21 ; R1.2@780,4948.33 R6.1@780,5040 v3(780,5085.83) R2.2@780,5131.67 ; C12.2@800,2990.63 800,3079.54 845.47,3125.02 U2.27@845.47,3159.13 ; C25.2@3887.13,2490 3887.13,2487.92 3909.53,2465.52 U6.27@3909.53,2350.87 ; U6.18@3975.87,2205.79 4108.4,2205.79 4119.18,2195 v3(4125,2195)
  Top Layer 1 w30: 230,505 230,500 v3(295,435) ; Q4.3@675,515 675,500 v3(740,435) ; v3(765,2630) 799.08,2664.08 799.08,2688.97 C9.1@815.12,2705 800,2720.12 C12.2@800,2990.63 ; 998.2,4870 1023.4,4870 ; 1035.51,4852.37 1035.51,4854.49 1035,4855 1039.32,4859.32 1039.32,4863.15 1040.47,4864.3 v3(1040.47,4912.15) C1.1@1040.47,4960 C2.1@1040.47,5025 ; Q2.3@1122.24,517.4 1123.74,517.4 1126.93,514.21 1126.93,508.07 v3(1200,435) ; 1570,505 1639.71,435.29 1654.71,435.29 v3(1655,435) ; Q7.3@2012.24,517.4 2013.74,517.4 2016.93,514.21 2016.93,508.07 v3(2090,435) ; 2465,505 2465,490 v3(2520,435) ; Q3.3@2914.49,517.4 2915.98,517.4 2922.36,511.02 2922.36,509.53 2996.6,435.29 2999.71,435.29 v3(3000,435) ; Q1.3@3362.42,512.58 3439.71,435.29 3459.71,435.29 v3(3460,435) ; Q10.3@3807.24,517.4 3808.74,517.4 3811.93,514.21 3811.93,503.07 v3(3880,435) ; v3(3875,2840) 3874.71,2839.71 3874.71,2788.34 C24.1@3871.38,2785 3887.13,2769.25 C27.2@3887.13,2681.42 C26.2@3887.13,2585.71 C25.2@3887.13,2490 ; Q8.3@4250,515 4250,505 4319.71,435.29 4344.71,435.29 v3(4345,435) ; v3(4870,1080) 4898.27,1108.27 Q13.3@4898.27,1112.76 ; Q19.3@4922.6,4375.51 4922.6,4342.81 4930,4335.4 v3(4930,4335) ; Q20.3@4930,2947.76 v3(4930,2990) ; v3(4980,2330) 4980.08,2330.08 4980.08,2367.17 Q24.3@4982.4,2369.49 ; Q23.3@5003.56,3972.24 5004.71,3971.09 5004.71,3935.29 v3(5005,3935) ; v3(5190,3930) 5190,3960 5195,3965 ; v3(5230,1075) 5230.29,1075.29 5230.29,1095.11 5246.44,1111.26 Q11.3@5246.44,1112.76 ; v3(5250,4405) 5250,4404.6 5255,4399.59 Q15.3@5255,4362.76 ; Q28.3@5265,2369.49 5265.26,2369.74 5299.74,2369.74 v3(5300,2370) ; Q16.3@5270,2947.76 v3(5270,2990)
  Top Layer 1 w100: J1.1@571.22,5705 579.61,5696.61 D1.2@700,5696.61
ADC_CNVT: U2.7 U7.38 | length 1869.2
  Top Layer 1 w10: U2.7@970.87,3304.21 970.92,3304.27 994.27,3304.27 1090,3400 v2(1090,3415) ; v2(1500,3375) 1538.11,3413.11 U7.38@2752.99,3413.11
  Bottom Layer 1 w10: v2(1090,3415) 1460,3415 v2(1500,3375)
ADC_INT: U2.6 U7.37 | length 1867.2
  Top Layer 1 w10: U2.6@970.87,3284.53 1034.53,3284.53 1080,3330 v2(1080,3335) ; v2(1295,3310) 1365,3310 1487.8,3432.8 U7.37@2752.99,3432.8
  Bottom Layer 1 w10: v2(1080,3335) 1270,3335 v2(1295,3310)
ADC_MISO: U2.5 U7.35 | length 1890.9
  Top Layer 1 w10: U2.5@970.87,3264.84 1059.84,3264.84 1145,3350 v2(1145,3375) ; v2(1345,3365) 1452.17,3472.17 U7.35@2752.99,3472.17
  Bottom Layer 1 w10: v2(1145,3375) 1329.18,3375 1339.18,3365 v2(1345,3365)
ADC_MOSI: U7.36
ADC_NSS: U2.4 U7.33 | length 1892.5
  Top Layer 1 w10: U2.4@970.87,3245.16 1075.16,3245.16 1341.54,3511.54 U7.33@2752.99,3511.54
ADC_SCLK: U2.3 U7.34 | length 1892.5
  Top Layer 1 w10: U2.3@970.87,3225.47 1130.47,3225.47 1396.85,3491.85 U7.34@2752.99,3491.85
ANAOG_INPUT_1: U2.14 X21.1 | length 2081.9
  Top Layer 1 w10: X21.1@175,5155 490,4840 490,3730 845.47,3374.53 U2.14@845.47,3350.87
ANAOG_INPUT_2: U2.17 X23.1 | length 1610.8
  Top Layer 1 w10: X23.1@175,4684.44 460,4399.44 460,3720 779.13,3400.87 U2.17@779.13,3323.9
ANAOG_INPUT_3: U2.19 X25.1 | length 1207.8
  Top Layer 1 w10: X25.1@175,4213.89 435,3953.89 435,3719.54 695,3459.54 695,3320.46 730.93,3284.53 U2.19@779.13,3284.53
ANAOG_INPUT_4: U2.20 X27.1 | length 883.8
  Top Layer 1 w10: X27.1@175,3743.33 385.76,3743.33 670,3459.09 670,3320 725.16,3264.84 U2.20@779.13,3264.84
ANAOG_INPUT_5: U2.21 X30.1 | length 615.6
  Top Layer 1 w10: X30.1@175,3272.78 187.61,3272.78 215.23,3245.16 U2.21@779.13,3245.16
ANAOG_INPUT_6: U2.22 X22.1 | length 779.5
  Top Layer 1 w10: X22.1@175,2802.22 598.25,3225.47 U2.22@779.13,3225.47
ANAOG_INPUT_7: U2.24 X24.1 | length 1127
  Top Layer 1 w10: X24.1@175,2331.67 405,2561.67 405,2850 741.1,3186.1 U2.24@779.13,3186.1
ANAOG_INPUT_8: U2.25 X26.1 | length 1569.4
  Top Layer 1 w10: X26.1@175,1861.11 460,2146.11 460,2830 789.13,3159.13 U2.25@806.1,3159.13